# Altium PCB 4_layers_Testboard.PcbDoc (part 1 of 3) (continued)
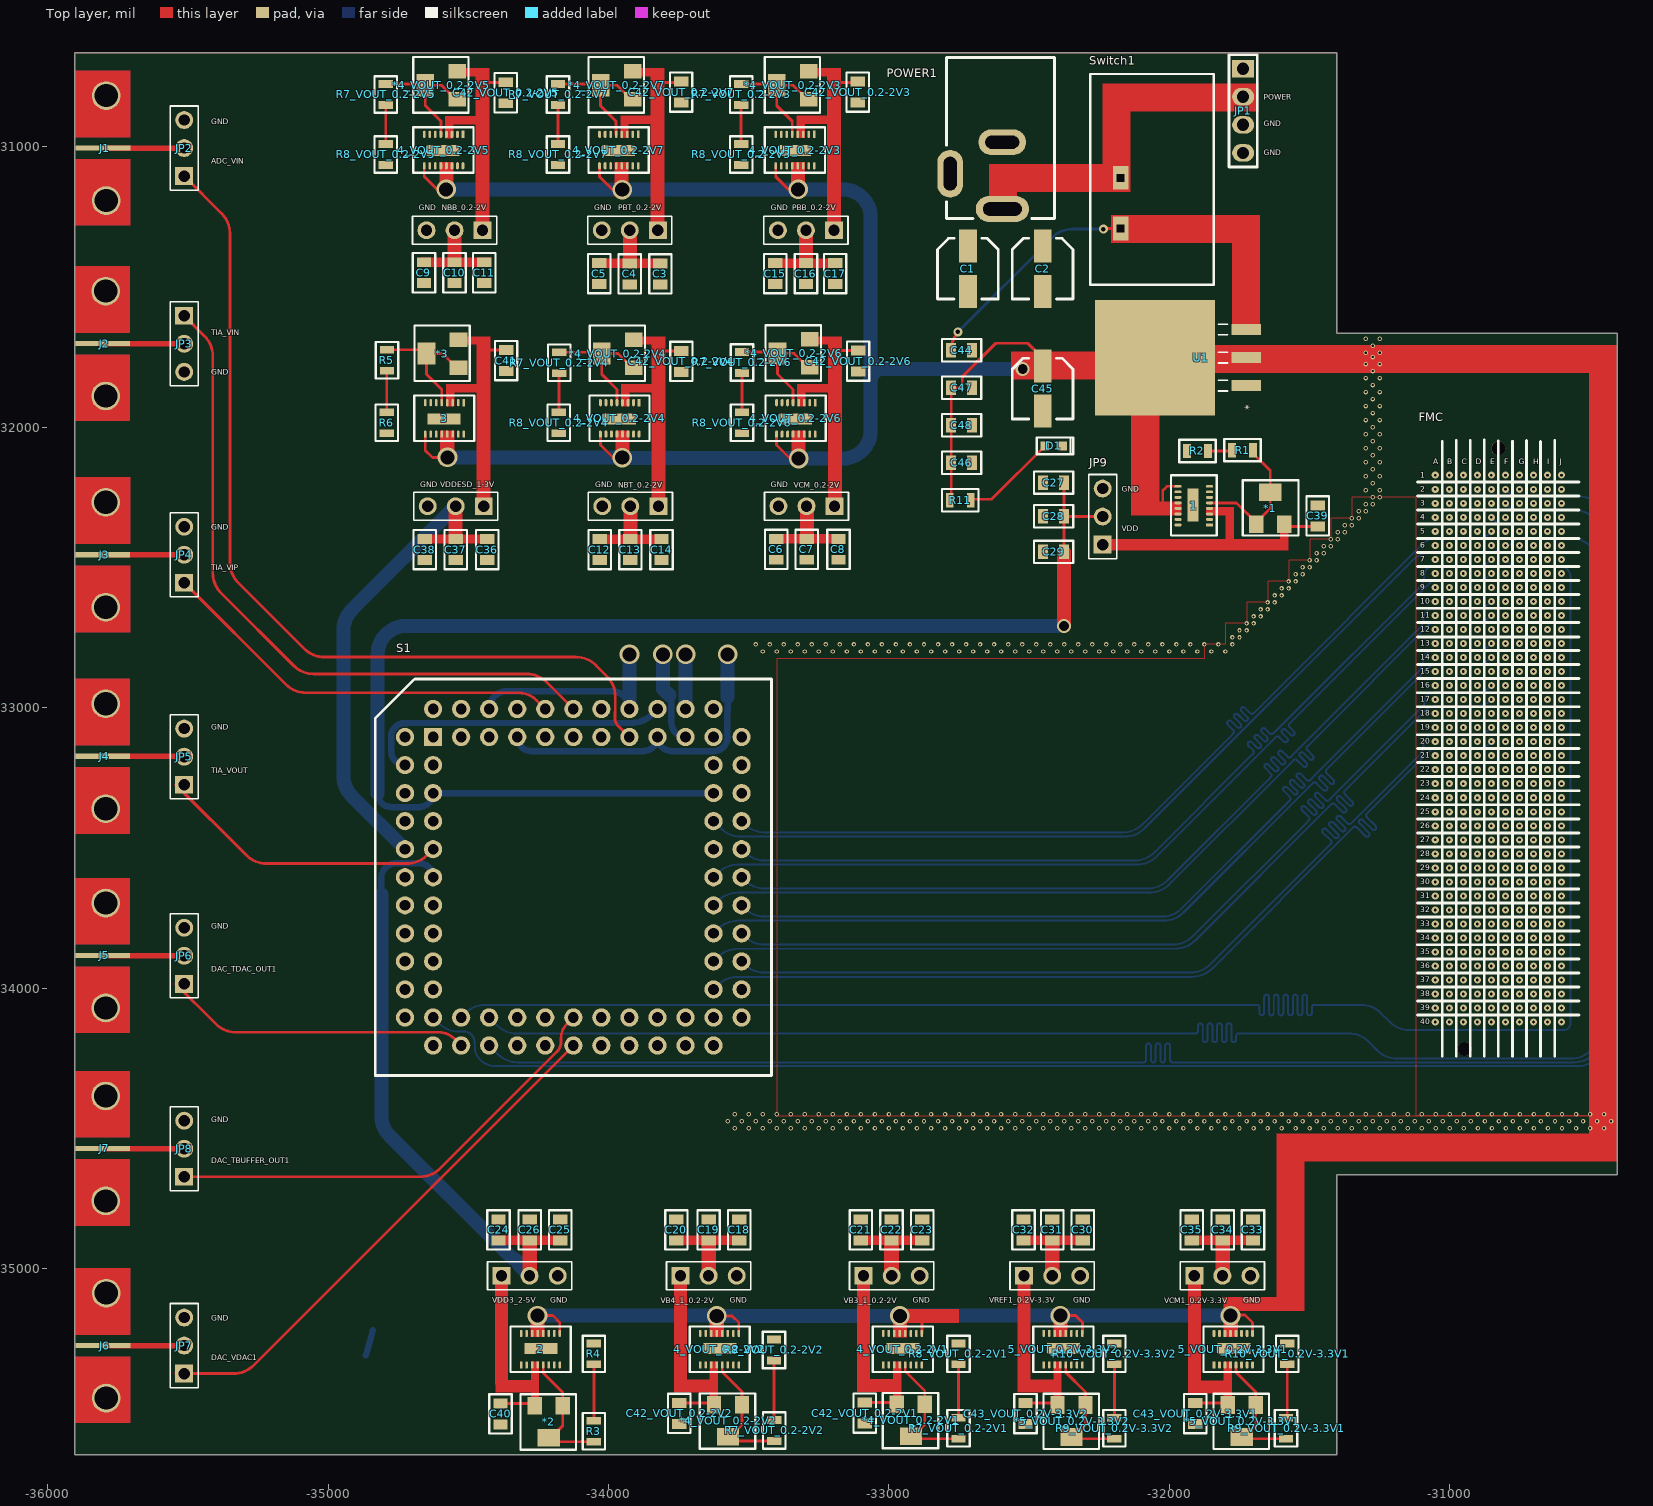
[diagram p0: Top layer view]
## Footprints (in the part's own frame and the unit in brackets; to place one, negate y for a bottom-side part, rotate by r counter-clockwise, add the part's x,y. Pads: shape width x height; smd on the part's side, far side on the other; paste and mask are expansions set on the pad)
01x03_0.1in_th_straight_b_nom [mm] "3 positions (1 row, 3 columns), 0.1 Inch pitch, through hole straight header (B Density)"
  rect 1.62x1.62 hole 1.02: 1(-2.54,0)
  round 1.62 hole 1.02: 2(0,0) 3(2.54,0)
  silkscreen extent -3.81,-1.27 3.81,1.27, body extent -3.94,-1.27 3.81,1.27, height 8.38
C0805 [mm]
  rect 0.9x1.3 smd: 1(0,0) 2(1.9,0)
  silkscreen extent -0.83,-1.02 2.73,1.02, body extent -0.05,-0.6 1.95,0.6, height 1.46
C_ALU_C_SIZE [mm]
  rect 3x1.6 smd: 1(-2.05,0) 2(2.05,0)
  silkscreen extent -2.75,-2.75 2.75,2.75, body extent -2.95,-2.65 2.95,2.65, height 5.41
FMC_HPC [mm]
  round 0.762 smd paste-25.4 mask+0.013: A1(51.956,8.765) A2(50.686,8.765) A3(49.416,8.765) A4(48.146,8.765) A5(46.876,8.765) A6(45.606,8.765) A7(44.336,8.765) A8(43.066,8.765) A9(41.796,8.765) A10(40.526,8.765) A11(39.256,8.765) A12(37.986,8.765) A13(36.716,8.765) A14(35.446,8.765) A15(34.176,8.765) A16(32.906,8.765) A17(31.636,8.765) A18(30.366,8.765) A19(29.096,8.765) A20(27.826,8.765) A21(26.556,8.765) A22(25.286,8.765) A23(24.016,8.765) A24(22.746,8.765) A25(21.476,8.765) A26(20.206,8.765) A27(18.936,8.765) A28(17.666,8.765) A29(16.396,8.765) A30(15.126,8.765) A31(13.856,8.765) A32(12.586,8.765) A33(11.316,8.765) A34(10.046,8.765) A35(8.776,8.765) A36(7.506,8.765) A37(6.236,8.765) A38(4.966,8.765) A39(3.696,8.765) A40(2.426,8.765) B1(51.956,7.495) B2(50.686,7.495) B3(49.416,7.495) B4(48.146,7.495) B5(46.876,7.495) B6(45.606,7.495) B7(44.336,7.495) B8(43.066,7.495) B9(41.796,7.495) B10(40.526,7.495) B11(39.256,7.495) B12(37.986,7.495) B13(36.716,7.495) B14(35.446,7.495) B15(34.176,7.495) B16(32.906,7.495) B17(31.636,7.495) B18(30.366,7.495) B19(29.096,7.495) B20(27.826,7.495) B21(26.556,7.495) B22(25.286,7.495) B23(24.016,7.495) B24(22.746,7.495) B25(21.476,7.495) B26(20.206,7.495) B27(18.936,7.495) B28(17.666,7.495) B29(16.396,7.495) B30(15.126,7.495) B31(13.856,7.495) B32(12.586,7.495) B33(11.316,7.495) B34(10.046,7.495) B35(8.776,7.495) B36(7.506,7.495) B37(6.236,7.495) B38(4.966,7.495) B39(3.696,7.495) B40(2.426,7.495) C1(51.956,6.225) C2(50.686,6.225) C3(49.416,6.225) C4(48.146,6.225) C5(46.876,6.225) C6(45.606,6.225) C7(44.336,6.225) C8(43.066,6.225) C9(41.796,6.225) C10(40.526,6.225) C11(39.256,6.225) C12(37.986,6.225) C13(36.716,6.225) C14(35.446,6.225) C15(34.176,6.225) C16(32.906,6.225) C17(31.636,6.225) C18(30.366,6.225) C19(29.096,6.225) C20(27.826,6.225) C21(26.556,6.225) C22(25.286,6.225) C23(24.016,6.225) C24(22.746,6.225) C25(21.476,6.225) C26(20.206,6.225) C27(18.936,6.225) C28(17.666,6.225) C29(16.396,6.225) C30(15.126,6.225) C31(13.856,6.225) C32(12.586,6.225) C33(11.316,6.225) C34(10.046,6.225) C35(8.776,6.225) C36(7.506,6.225) C37(6.236,6.225) C38(4.966,6.225) C39(3.696,6.225) C40(2.426,6.225) D1(51.956,4.955) D2(50.686,4.955) D3(49.416,4.955) D4(48.146,4.955) D5(46.876,4.955) D6(45.606,4.955) D7(44.336,4.955) D8(43.066,4.955) D9(41.796,4.955) D10(40.526,4.955) D11(39.256,4.955) D12(37.986,4.955) D13(36.716,4.955) D14(35.446,4.955) D15(34.176,4.955) D16(32.906,4.955) D17(31.636,4.955) D18(30.366,4.955) D19(29.096,4.955) D20(27.826,4.955) D21(26.556,4.955) D22(25.286,4.955) D23(24.016,4.955) D24(22.746,4.955) D25(21.476,4.955) D26(20.206,4.955) D27(18.936,4.955) D28(17.666,4.955) D29(16.396,4.955) D30(15.126,4.955) D31(13.856,4.955) D32(12.586,4.955) D33(11.316,4.955) D34(10.046,4.955) D35(8.776,4.955) D36(7.506,4.955) D37(6.236,4.955) D38(4.966,4.955) D39(3.696,4.955) D40(2.426,4.955) E1(51.956,3.685) E2(50.686,3.685) E3(49.416,3.685) E4(48.146,3.685) E5(46.876,3.685) E6(45.606,3.685) E7(44.336,3.685) E8(43.066,3.685) E9(41.796,3.685) E10(40.526,3.685) E11(39.256,3.685) E12(37.986,3.685) E13(36.716,3.685) E14(35.446,3.685) E15(34.176,3.685) E16(32.906,3.685) E17(31.636,3.685) E18(30.366,3.685) E19(29.096,3.685) E20(27.826,3.685) E21(26.556,3.685) E22(25.286,3.685) E23(24.016,3.685) E24(22.746,3.685) E25(21.476,3.685) E26(20.206,3.685) E27(18.936,3.685) E28(17.666,3.685) E29(16.396,3.685) E30(15.126,3.685) E31(13.856,3.685) E32(12.586,3.685) E33(11.316,3.685) E34(10.046,3.685) E35(8.776,3.685) E36(7.506,3.685) E37(6.236,3.685) E38(4.966,3.685) E39(3.696,3.685) E40(2.426,3.685) F1(51.956,2.415) F2(50.686,2.415) F3(49.416,2.415) F4(48.146,2.415) F5(46.876,2.415) F6(45.606,2.415) F7(44.336,2.415) F8(43.066,2.415) F9(41.796,2.415) F10(40.526,2.415) F11(39.256,2.415) F12(37.986,2.415) F13(36.716,2.415) F14(35.446,2.415) F15(34.176,2.415) F16(32.906,2.415) F17(31.636,2.415) F18(30.366,2.415) F19(29.096,2.415) F20(27.826,2.415) F21(26.556,2.415) F22(25.286,2.415) F23(24.016,2.415) F24(22.746,2.415) F25(21.476,2.415) F26(20.206,2.415) F27(18.936,2.415) F28(17.666,2.415) F29(16.396,2.415) F30(15.126,2.415) F31(13.856,2.415) F32(12.586,2.415) F33(11.316,2.415) F34(10.046,2.415) F35(8.776,2.415) F36(7.506,2.415) F37(6.236,2.415) F38(4.966,2.415) F39(3.696,2.415) F40(2.426,2.415) G1(51.956,1.145) G2(50.686,1.145) G3(49.416,1.145) G4(48.146,1.145) G5(46.876,1.145) G6(45.606,1.145) G7(44.336,1.145) G8(43.066,1.145) G9(41.796,1.145) G10(40.526,1.145) G11(39.256,1.145) G12(37.986,1.145) G13(36.716,1.145) G14(35.446,1.145) G15(34.176,1.145) G16(32.906,1.145) G17(31.636,1.145) G18(30.366,1.145) G19(29.096,1.145) G20(27.826,1.145) G21(26.556,1.145) G22(25.286,1.145) G23(24.016,1.145) G24(22.746,1.145) G25(21.476,1.145) G26(20.206,1.145) G27(18.936,1.145) G28(17.666,1.145) G29(16.396,1.145) G30(15.126,1.145) G31(13.856,1.145) G32(12.586,1.145) G33(11.316,1.145) G34(10.046,1.145) G35(8.776,1.145) G36(7.506,1.145) G37(6.236,1.145) G38(4.966,1.145) G39(3.696,1.145) G40(2.426,1.145) H1(51.956,-0.125) H2(50.686,-0.125) H3(49.416,-0.125) H4(48.146,-0.125) H5(46.876,-0.125) H6(45.606,-0.125) H7(44.336,-0.125) H8(43.066,-0.125) H9(41.796,-0.125) H10(40.526,-0.125) H11(39.256,-0.125) H12(37.986,-0.125) H13(36.716,-0.125) H14(35.446,-0.125) H15(34.176,-0.125) H16(32.906,-0.125) H17(31.636,-0.125) H18(30.366,-0.125) H19(29.096,-0.125) H20(27.826,-0.125) H21(26.556,-0.125) H22(25.286,-0.125) H23(24.016,-0.125) H24(22.746,-0.125) H25(21.476,-0.125) H26(20.206,-0.125) H27(18.936,-0.125) H28(17.666,-0.125) H29(16.396,-0.125) H30(15.126,-0.125) H31(13.856,-0.125) H32(12.586,-0.125) H33(11.316,-0.125) H34(10.046,-0.125) H35(8.776,-0.125) H36(7.506,-0.125) H37(6.236,-0.125) H38(4.966,-0.125) H39(3.696,-0.125) H40(2.426,-0.125) J1(51.956,-1.395) J2(50.686,-1.395) J3(49.416,-1.395) J4(48.146,-1.395) J5(46.876,-1.395) J6(45.606,-1.395) J7(44.336,-1.395) J8(43.066,-1.395) J9(41.796,-1.395) J10(40.526,-1.395) J11(39.256,-1.395) J12(37.986,-1.395) J13(36.716,-1.395) J14(35.446,-1.395) J15(34.176,-1.395) J16(32.906,-1.395) J17(31.636,-1.395) J18(30.366,-1.395) J19(29.096,-1.395) J20(27.826,-1.395) J21(26.556,-1.395) J22(25.286,-1.395) J23(24.016,-1.395) J24(22.746,-1.395) J25(21.476,-1.395) J26(20.206,-1.395) J27(18.936,-1.395) J28(17.666,-1.395) J29(16.396,-1.395) J30(15.126,-1.395) J31(13.856,-1.395) J32(12.586,-1.395) J33(11.316,-1.395) J34(10.046,-1.395) J35(8.776,-1.395) J36(7.506,-1.395) J37(6.236,-1.395) J38(4.966,-1.395) J39(3.696,-1.395) J40(2.426,-1.395) K1(51.956,-2.665) K2(50.686,-2.665) K3(49.416,-2.665) K4(48.146,-2.665) K5(46.876,-2.665) K6(45.606,-2.665) K7(44.336,-2.665) K8(43.066,-2.665) K9(41.796,-2.665) K10(40.526,-2.665) K11(39.256,-2.665) K12(37.986,-2.665) K13(36.716,-2.665) K14(35.446,-2.665) K15(34.176,-2.665) K16(32.906,-2.665) K17(31.636,-2.665) K18(30.366,-2.665) K19(29.096,-2.665) K20(27.826,-2.665) K21(26.556,-2.665) K22(25.286,-2.665) K23(24.016,-2.665) K24(22.746,-2.665) K25(21.476,-2.665) K26(20.206,-2.665) K27(18.936,-2.665) K28(17.666,-2.665) K29(16.396,-2.665) K30(15.126,-2.665) K31(13.856,-2.665) K32(12.586,-2.665) K33(11.316,-2.665) K34(10.046,-2.665) K35(8.776,-2.665) K36(7.506,-2.665) K37(6.236,-2.665) K38(4.966,-2.665) K39(3.696,-2.665) K40(2.426,-2.665)
  round 1.27 hole 1.27 unplated: ""(0,0) ""(54.382,3.05)
  round 0.635 on Top Solder paste-25.4 mask+0.003: ""(2.426,-2.665) ""(2.426,-1.395) ""(2.426,-0.125) ""(2.426,1.145) ""(2.426,2.415) ""(2.426,3.685) ""(2.426,4.955) ""(2.426,6.225) ""(2.426,7.495) ""(2.426,8.765) ""(3.696,-2.665) ""(3.696,-1.395) ""(3.696,-0.125) ""(3.696,1.145) ""(3.696,2.415) ""(3.696,3.685) ""(3.696,4.955) ""(3.696,6.225) ""(3.696,7.495) ""(3.696,8.765) ""(4.966,-2.665) ""(4.966,-1.395) ""(4.966,-0.125) ""(4.966,1.145) ""(4.966,2.415) ""(4.966,3.685) ""(4.966,4.955) ""(4.966,6.225) ""(4.966,7.495) ""(4.966,8.765) ""(6.236,-2.665) ""(6.236,-1.395) ""(6.236,-0.125) ""(6.236,1.145) ""(6.236,2.415) ""(6.236,3.685) ""(6.236,4.955) ""(6.236,6.225) ""(6.236,7.495) ""(6.236,8.765) ""(7.506,-2.665) ""(7.506,-1.395) ""(7.506,-0.125) ""(7.506,1.145) ""(7.506,2.415) ""(7.506,3.685) ""(7.506,4.955) ""(7.506,6.225) ""(7.506,7.495) ""(7.506,8.765) ""(8.776,-2.665) ""(8.776,-1.395) ""(8.776,-0.125) ""(8.776,1.145) ""(8.776,2.415) ""(8.776,3.685) ""(8.776,4.955) ""(8.776,6.225) ""(8.776,7.495) ""(8.776,8.765) ""(10.046,-2.665) ""(10.046,-1.395) ""(10.046,-0.125) ""(10.046,1.145) ""(10.046,2.415) ""(10.046,3.685) ""(10.046,4.955) ""(10.046,6.225) ""(10.046,7.495) ""(10.046,8.765) ""(11.316,-2.665) ""(11.316,-1.395) ""(11.316,-0.125) ""(11.316,1.145) ""(11.316,2.415) ""(11.316,3.685) ""(11.316,4.955) ""(11.316,6.225) ""(11.316,7.495) ""(11.316,8.765) ""(12.586,-2.665) ""(12.586,-1.395) ""(12.586,-0.125) ""(12.586,1.145) ""(12.586,2.415) ""(12.586,3.685) ""(12.586,4.955) ""(12.586,6.225) ""(12.586,7.495) ""(12.586,8.765) ""(13.856,-2.665) ""(13.856,-1.395) ""(13.856,-0.125) ""(13.856,1.145) ""(13.856,2.415) ""(13.856,3.685) ""(13.856,4.955) ""(13.856,6.225) ""(13.856,7.495) ""(13.856,8.765) ""(15.126,-2.665) ""(15.126,-1.395) ""(15.126,-0.125) ""(15.126,1.145) ""(15.126,2.415) ""(15.126,3.685) ""(15.126,4.955) ""(15.126,6.225) ""(15.126,7.495) ""(15.126,8.765) ""(16.396,-2.665) ""(16.396,-1.395) ""(16.396,-0.125) ""(16.396,1.145) ""(16.396,2.415) ""(16.396,3.685) ""(16.396,4.955) ""(16.396,6.225) ""(16.396,7.495) ""(16.396,8.765) ""(17.666,-2.665) ""(17.666,-1.395) ""(17.666,-0.125) ""(17.666,1.145) ""(17.666,2.415) ""(17.666,3.685) ""(17.666,4.955) ""(17.666,6.225) ""(17.666,7.495) ""(17.666,8.765) ""(18.936,-2.665) ""(18.936,-1.395) ""(18.936,-0.125) ""(18.936,1.145) ""(18.936,2.415) ""(18.936,3.685) ""(18.936,4.955) ""(18.936,6.225) ""(18.936,7.495) ""(18.936,8.765) ""(20.206,-2.665) ""(20.206,-1.395) ""(20.206,-0.125) ""(20.206,1.145) ""(20.206,2.415) ""(20.206,3.685) ""(20.206,4.955) ""(20.206,6.225) ""(20.206,7.495) ""(20.206,8.765) ""(21.476,-2.665) ""(21.476,-1.395) ""(21.476,-0.125) ""(21.476,1.145) ""(21.476,2.415) ""(21.476,3.685) ""(21.476,4.955) ""(21.476,6.225) ""(21.476,7.495) ""(21.476,8.765) ""(22.746,-2.665) ""(22.746,-1.395) ""(22.746,-0.125) ""(22.746,1.145) ""(22.746,2.415) ""(22.746,3.685) ""(22.746,4.955) ""(22.746,6.225) ""(22.746,7.495) ""(22.746,8.765) ""(24.016,-2.665) ""(24.016,-1.395) ""(24.016,-0.125) ""(24.016,1.145) ""(24.016,2.415) ""(24.016,3.685) ""(24.016,4.955) ""(24.016,6.225) ""(24.016,7.495) ""(24.016,8.765) ""(25.286,-2.665) ""(25.286,-1.395) ""(25.286,-0.125) ""(25.286,1.145) ""(25.286,2.415) ""(25.286,3.685) ""(25.286,4.955) ""(25.286,6.225) ""(25.286,7.495) ""(25.286,8.765) ""(26.556,-2.665) ""(26.556,-1.395) ""(26.556,-0.125) ""(26.556,1.145) ""(26.556,2.415) ""(26.556,3.685) ""(26.556,4.955) ""(26.556,6.225) ""(26.556,7.495) ""(26.556,8.765) ""(27.826,-2.665) ""(27.826,-1.395) ""(27.826,-0.125) ""(27.826,1.145) ""(27.826,2.415) ""(27.826,3.685) ""(27.826,4.955) ""(27.826,6.225) ""(27.826,7.495) ""(27.826,8.765) ""(29.096,-2.665) ""(29.096,-1.395) ""(29.096,-0.125) ""(29.096,1.145) ""(29.096,2.415) ""(29.096,3.685) ""(29.096,4.955) ""(29.096,6.225) ""(29.096,7.495) ""(29.096,8.765) ""(30.366,-2.665) ""(30.366,-1.395) ""(30.366,-0.125) ""(30.366,1.145) ""(30.366,2.415) ""(30.366,3.685) ""(30.366,4.955) ""(30.366,6.225) ""(30.366,7.495) ""(30.366,8.765) ""(31.636,-2.665) ""(31.636,-1.395) ""(31.636,-0.125) ""(31.636,1.145) ""(31.636,2.415) ""(31.636,3.685) ""(31.636,4.955) ""(31.636,6.225) ""(31.636,7.495) ""(31.636,8.765) ""(32.906,-2.665) ""(32.906,-1.395) ""(32.906,-0.125) ""(32.906,1.145) ""(32.906,2.415) ""(32.906,3.685) ""(32.906,4.955) ""(32.906,6.225) ""(32.906,7.495) ""(32.906,8.765) ""(34.176,-2.665) ""(34.176,-1.395) ""(34.176,-0.125) ""(34.176,1.145) ""(34.176,2.415) ""(34.176,3.685) ""(34.176,4.955) ""(34.176,6.225) ""(34.176,7.495) ""(34.176,8.765) ""(35.446,-2.665) ""(35.446,-1.395) ""(35.446,-0.125) ""(35.446,1.145) ""(35.446,2.415) ""(35.446,3.685) ""(35.446,4.955) ""(35.446,6.225) ""(35.446,7.495) ""(35.446,8.765) ""(36.716,-2.665) ""(36.716,-1.395) ""(36.716,-0.125) ""(36.716,1.145) ""(36.716,2.415) ""(36.716,3.685) ""(36.716,4.955) ""(36.716,6.225) ""(36.716,7.495) ""(36.716,8.765) ""(37.986,-2.665) ""(37.986,-1.395) ""(37.986,-0.125) ""(37.986,1.145) ""(37.986,2.415) ""(37.986,3.685) ""(37.986,4.955) ""(37.986,6.225) ""(37.986,7.495) ""(37.986,8.765) ""(39.256,-2.665) ""(39.256,-1.395) ""(39.256,-0.125) ""(39.256,1.145) ""(39.256,2.415) ""(39.256,3.685) ""(39.256,4.955) ""(39.256,6.225) ""(39.256,7.495) ""(39.256,8.765) ""(40.526,-2.665) ""(40.526,-1.395) ""(40.526,-0.125) ""(40.526,1.145) ""(40.526,2.415) ""(40.526,3.685) ""(40.526,4.955) ""(40.526,6.225) ""(40.526,7.495) ""(40.526,8.765) ""(41.796,-2.665) ""(41.796,-1.395) ""(41.796,-0.125) ""(41.796,1.145) ""(41.796,2.415) ""(41.796,3.685) ""(41.796,4.955) ""(41.796,6.225) ""(41.796,7.495) ""(41.796,8.765) ""(43.066,-2.665) ""(43.066,-1.395) ""(43.066,-0.125) ""(43.066,1.145) ""(43.066,2.415) ""(43.066,3.685) ""(43.066,4.955) ""(43.066,6.225) ""(43.066,7.495) ""(43.066,8.765) ""(44.336,-2.665) ""(44.336,-1.395) ""(44.336,-0.125) ""(44.336,1.145) ""(44.336,2.415) ""(44.336,3.685) ""(44.336,4.955) ""(44.336,6.225) ""(44.336,7.495) ""(44.336,8.765) ""(45.606,-2.665) ""(45.606,-1.395) ""(45.606,-0.125) ""(45.606,1.145) ""(45.606,2.415) ""(45.606,3.685) ""(45.606,4.955) ""(45.606,6.225) ""(45.606,7.495) ""(45.606,8.765) ""(46.876,-2.665) ""(46.876,-1.395) ""(46.876,-0.125) ""(46.876,1.145) ""(46.876,2.415) ""(46.876,3.685) ""(46.876,4.955) ""(46.876,6.225) ""(46.876,7.495) ""(46.876,8.765) ""(48.146,-2.665) ""(48.146,-1.395) ""(48.146,-0.125) ""(48.146,1.145) ""(48.146,2.415) ""(48.146,3.685) ""(48.146,4.955) ""(48.146,6.225) ""(48.146,7.495) ""(48.146,8.765) ""(49.416,-2.665) ""(49.416,-1.395) ""(49.416,-0.125) ""(49.416,1.145) ""(49.416,2.415) ""(49.416,3.685) ""(49.416,4.955) ""(49.416,6.225) ""(49.416,7.495) ""(49.416,8.765) ""(50.686,-2.665) ""(50.686,-1.395) ""(50.686,-0.125) ""(50.686,1.145) ""(50.686,2.415) ""(50.686,3.685) ""(50.686,4.955) ""(50.686,6.225) ""(50.686,7.495) ""(50.686,8.765) ""(51.956,-2.665) ""(51.956,-1.395) ""(51.956,-0.125) ""(51.956,1.145) ""(51.956,2.415) ""(51.956,3.685) ""(51.956,4.955) ""(51.956,6.225) ""(51.956,7.495) ""(51.956,8.765)
  silkscreen extent -0.7,-4.29 55.97,10.39, body extent -0.76,-4.19 56.01,10.41, height 1.55
Hdr_1x4_2.54mm [mm]
  rect 2x1.6 hole 1.1: 1(0,0)
  oval 2x1.6 hole 1.1: 2(0,-2.54) 3(0,-5.08) 4(0,-7.62)
  silkscreen extent -1.27,-8.89 1.27,1.27, body extent -1.21,-8.89 1.21,1.27, height 8.39
LED_0603 [mm]
  rect 0.8x0.8 smd: 1(0,0) 2(1.6,0)
  silkscreen extent -0.98,-0.76 2.32,0.76, body extent -0.05,-0.4 1.65,0.4, height 0.7
LM1085 [mil]
  rect 40x106 smd paste+0 mask+0: 1(-100,-326) 2(0,-326) 3(100,-326)
  rect 412x428 smd paste+0 mask+0: 4(0,0)
  silkscreen extent -119,-259 119,-227, body extent -205,-278 205,200, height 189
LT3022 [mm]
  rect 0.65x0.25 smd: 1(0,0)
  oval 0.65x0.25 smd: 2(0,-0.5) 3(0,-1) 4(0,-1.5) 5(0,-2) 6(0,-2.5) 7(0,-3) 8(0,-3.5) 9(2.85,-3.5) 10(2.85,-3) 11(2.85,-2.5) 12(2.85,-2) 13(2.85,-1.5) 14(2.85,-1) 15(2.85,-0.5) 16(2.85,0)
  rect 1x3 smd: 7(1.475,-1.8)
  silkscreen extent -0.65,-4.5 3.48,0.95, body extent -0.12,-4.3 2.98,0.8, height 0.8
POWER2.1MM [mil]
  oval 92x190 hole 47 slot 138 at 90 deg: 1(0,0)
  oval 170x92 hole 47 slot 120 at 0 deg: 2(126,186.17)
  oval 92x170 hole 47 slot 120 at 90 deg: 3(238.19,0.55)
  silkscreen extent -33,-186 540,200, body extent -25,-178 542,192, height 434
R0805 [mm]
  rect 0.7x1.3 smd: 1(0,0) 2(1.9,0)
  silkscreen extent -0.7,-1.02 2.6,1.02, body extent -0.05,-0.6 1.95,0.6, height 0.71
res_var_5turn [mm]
  rect 1.3x1.6 smd: 1(0,0) 3(2.54,0)
  rect 2x1.6 smd: 2(1.27,2.9)
  silkscreen extent -1.21,-1.02 3.82,3.99, body extent -1.1,-0.52 3.7,3.38, height 5.31
ROS-32K243-40ML5_V [mm] "SMA Jack, Right Angle, Edge Mount Screw On, 14.50x14.00x5.15mm, Rosenberger Recommended"
  rect 0.48x5 smd: 1(0,-2.5)
  round 2.6 hole 2.1: MH(-4.75,-2.8) MH(4.75,-2.8)
  Top layer region: -1,0 -4.75,0 -4.75,-1.75 -4.888,-1.75 -5.155,-1.822 -5.395,-1.96 -5.59,-2.155 -5.728,-2.395 -5.8,-2.662 -5.8,-2.938 -5.728,-3.205 -5.59,-3.445 -5.395,-3.64 -5.155,-3.778 -4.888,-3.85 -4.75,-3.85 -4.612,-3.85 -4.345,-3.778 -4.105,-3.64 -3.91,-3.445 -3.772,-3.205 -3.7,-2.938 -3.7,-2.662 -3.772,-2.395 -3.91,-2.155 -4.105,-1.96 -4.345,-1.822 -4.612,-1.75 -4.75,-1.75 -4.75,-1.75 -4.75,0 -7,0 -7,-5 -1,-5
  Top layer region: 1,0 4.75,0 4.75,-1.75 4.888,-1.75 5.155,-1.822 5.395,-1.96 5.59,-2.155 5.728,-2.395 5.8,-2.662 5.8,-2.938 5.728,-3.205 5.59,-3.445 5.395,-3.64 5.155,-3.778 4.888,-3.85 4.75,-3.85 4.612,-3.85 4.345,-3.778 4.105,-3.64 3.91,-3.445 3.772,-3.205 3.7,-2.938 3.7,-2.662 3.772,-2.395 3.91,-2.155 4.105,-1.96 4.345,-1.822 4.612,-1.75 4.75,-1.75 4.75,-1.75 4.75,0 7,0 7,-5 1,-5
  Bottom Layer region: 1,0 4.75,0 4.75,-1.75 4.888,-1.75 5.155,-1.822 5.395,-1.96 5.59,-2.155 5.728,-2.395 5.8,-2.662 5.8,-2.938 5.728,-3.205 5.59,-3.445 5.395,-3.64 5.155,-3.778 4.888,-3.85 4.75,-3.85 4.612,-3.85 4.345,-3.778 4.105,-3.64 3.91,-3.445 3.772,-3.205 3.7,-2.938 3.7,-2.662 3.772,-2.395 3.91,-2.155 4.105,-1.96 4.345,-1.822 4.612,-1.75 4.75,-1.75 4.75,-1.75 4.75,0 7,0 7,-5 1,-5
  Bottom Layer region: -1,0 -4.75,0 -4.75,-1.75 -4.888,-1.75 -5.155,-1.822 -5.395,-1.96 -5.59,-2.155 -5.728,-2.395 -5.8,-2.662 -5.8,-2.938 -5.728,-3.205 -5.59,-3.445 -5.395,-3.64 -5.155,-3.778 -4.888,-3.85 -4.75,-3.85 -4.612,-3.85 -4.345,-3.778 -4.105,-3.64 -3.91,-3.445 -3.772,-3.205 -3.7,-2.938 -3.7,-2.662 -3.772,-2.395 -3.91,-2.155 -4.105,-1.96 -4.345,-1.822 -4.612,-1.75 -4.75,-1.75 -4.75,-1.75 -4.75,0 -7,0 -7,-5 -1,-5
  body extent -7,-5 7,9.5, height 5.15
SERIES940_Socket [mil]
  round 65 hole 38: 1(500,-1100) 2(500,-1000) 3(600,-1100) 4(600,-1000) 5(700,-1100) 6(700,-1000) 7(800,-1100) 8(800,-1000) 9(900,-1100) 10(900,-1000) 11(1000,-1100) 12(1100,-1000) 13(1000,-1000) 14(1100,-900) 15(1000,-900) 16(1100,-800) 17(1000,-800) 18(1100,-700) 19(1000,-700) 20(1100,-600) 21(1000,-600) 22(1100,-500) 23(1000,-500) 24(1100,-400) 25(1000,-400) 26(1100,-300) 27(1000,-300) 28(1100,-200) 29(1000,-200) 30(1100,-100) 31(1000,-100) 32(1100,0) 33(1000,100) 34(1000,0) 35(900,100) 36(900,0) 37(800,100) 38(800,0) 39(700,100) 40(700,0) 41(600,100) 42(600,0) 43(500,100) 44(500,0) 45(400,100) 46(400,0) 47(300,100) 48(300,0) 49(200,100) 50(200,0) 51(100,100) 52(100,0) 53(0,100) 54(-100,0) 56(-100,-100) 57(0,-100) 58(-100,-200) 59(0,-200) 60(-100,-300) 61(0,-300) 62(-100,-400) 63(0,-400) 64(-100,-500) 65(0,-500) 66(-100,-600) 67(0,-600) 68(-100,-700) 69(0,-700) 70(-100,-800) 71(0,-800) 72(-100,-900) 73(0,-900) 74(-100,-1000) 75(0,-1100) 76(0,-1000) 77(100,-1100) 78(100,-1000) 79(200,-1100) 80(200,-1000) 81(300,-1100) 82(300,-1000) 83(400,-1100) 84(400,-1000)
  rect 65x65 hole 38: 55(0,0)
  silkscreen extent -206,-1206 1206,206, body extent -206,-1206 1206,206, height 319
SPST-2 [mil] "Switch; 2 Leads"
  rect 85x55 hole 27 square: 1(0,0) 2(181,0)
  silkscreen extent -370,-108 381,332, body extent -377,-102 376,327, height 554
